# KiCad board FetsAndCrosses.kicad_pcb (continued)
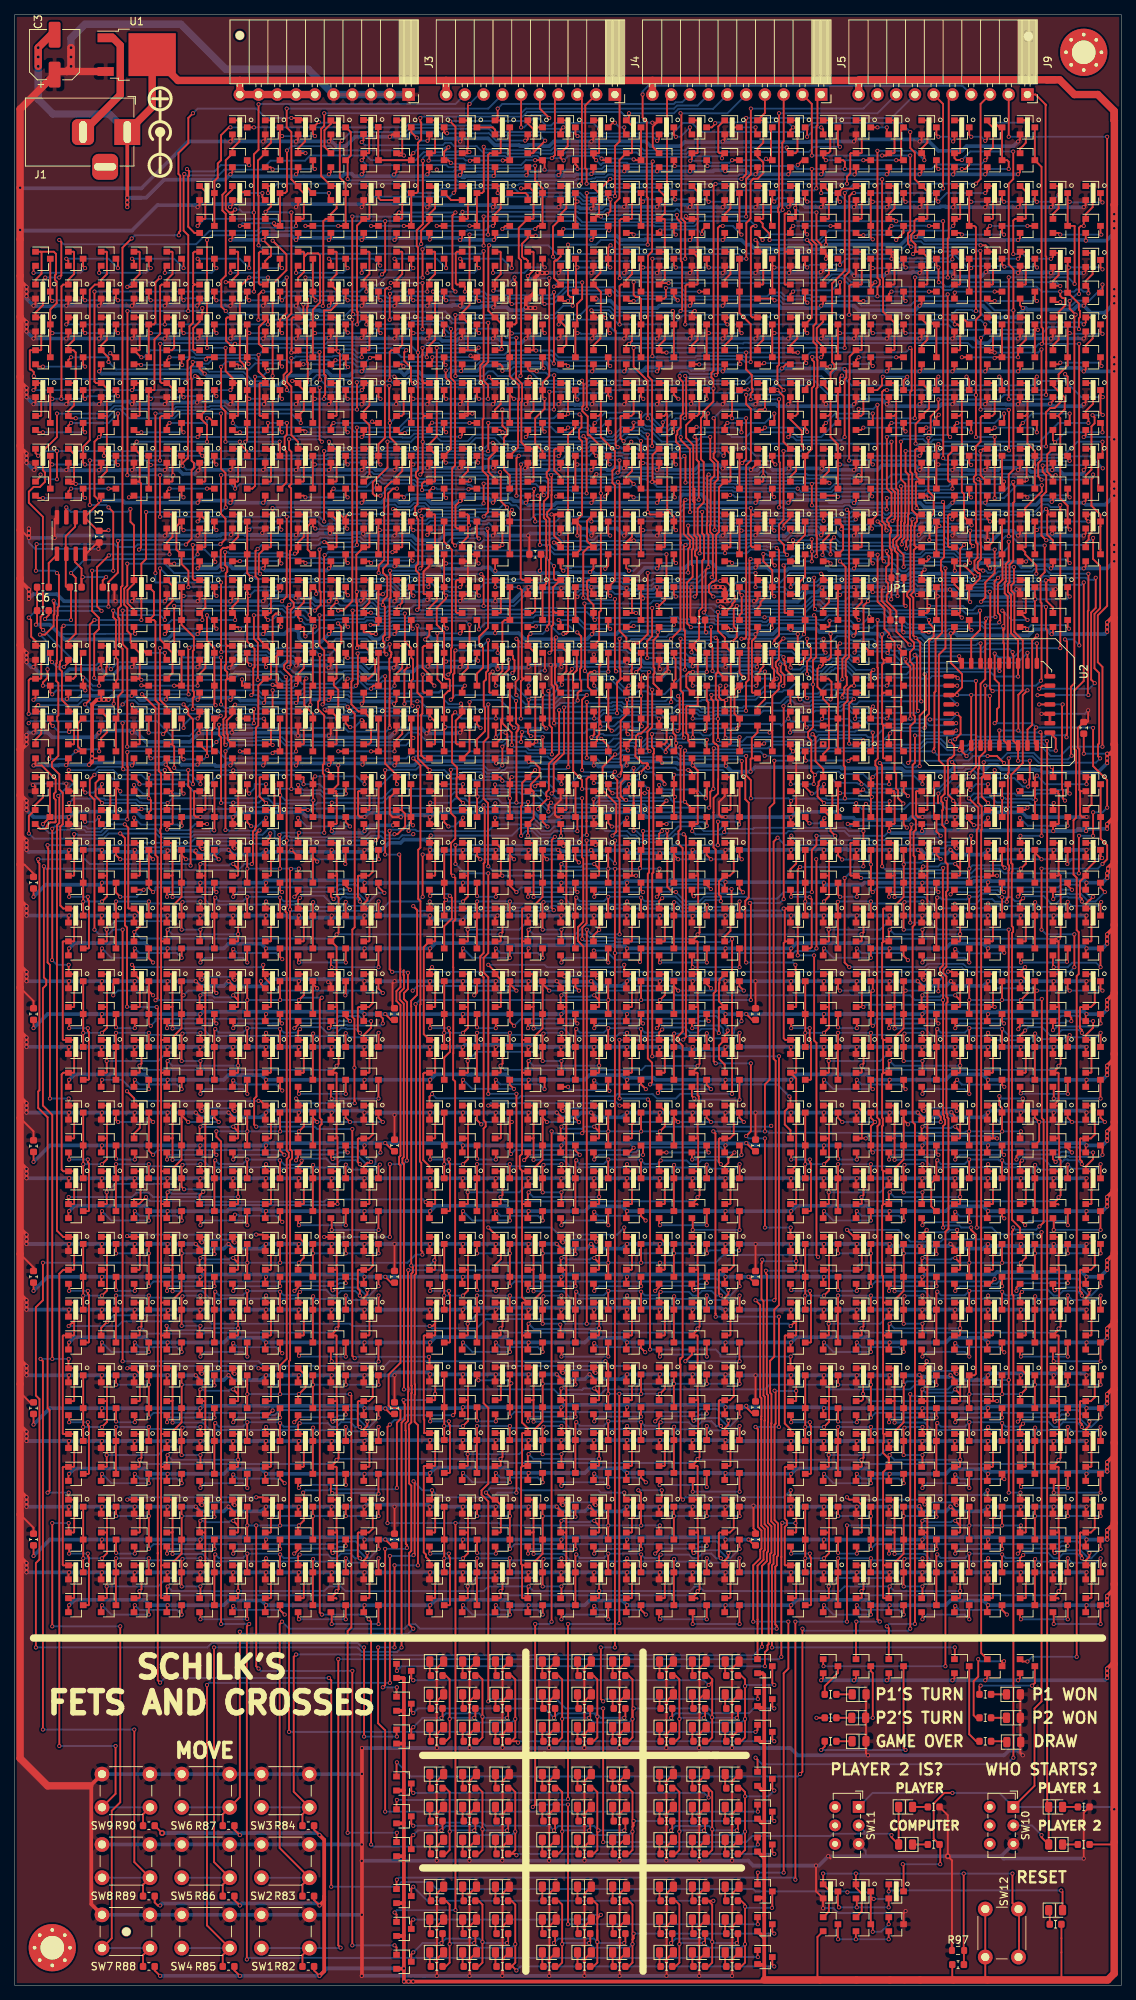
[diagram p0: board, top side]
## Routing (per net, layer and track width the routed paths; a pad name or vN(x,y) marks a point on that pad's centre or on a via; arc(x,y) is an arc through that point) (continued)
Net-(Q175-Pad2): length 9.1
  Top w0.25: v1(60.71,69.34) 60.59,69.23 Q175.2 ; Q176.3 67.06,69.32 v1(67.06,68.07)
  Bottom w0.25: v1(60.71,69.34) 61.98,68.07 v1(67.06,68.07)
Net-(Q176-Pad2): length 9.1
  Top w0.25: v1(65.15,69.34) 65.04,69.23 Q176.2 ; Q177.3 71.5,69.32 v1(71.5,68.07)
  Bottom w0.25: v1(65.15,69.34) 65.79,68.7 70.87,68.7 v1(71.5,68.07)
Net-(Q180-Pad2): length 8.9
  Top w0.25: v1(84.84,76.96) 84.82,76.98 Q181.3 ; Q180.2 78.49,77.17 v1(78.49,76.32)
  Bottom w0.25: v1(84.84,76.96) 79.12,76.96 v1(78.49,76.32)
Net-(Q185-Pad2): length 9.6
  Top w0.25: v1(80.39,67.43) 80.38,67.45 Q186.3 ; v1(74.04,67.59) 73.93,67.7 Q185.2
  Bottom w0.25: v1(80.39,67.43) 79.76,68.07 74.52,68.07 v1(74.04,67.59)
Net-(Q186-Pad2): length 10.1
  Top w0.25: 78.49,68.28 Q186.2 78.38,69.14 v1(78.49,69.25) ; Q187.3 84.82,68.72 v1(85.47,68.07)
  Bottom w0.25: v1(85.47,68.07) 84.84,68.7 79.03,68.7 v1(78.49,69.25)
Net-(Q191-Pad2): length 9.2
  Top w0.25: Q192.3 93.73,69.32 v1(93.73,67.43) ; v1(87.34,67.68) 87.32,67.68 87.27,67.74 Q191.2
  Bottom w0.25: v1(87.34,67.68) 87.36,67.71 93.45,67.71 v1(93.73,67.43)
Net-(Q192-Pad2): length 10.5
  Top w0.25: Q193.3 98.16,66.82 v1(98.17,66.8) ; Q192.2 91.82,68.28 v1(91.82,66.8)
  Bottom w0.25: v1(98.17,66.8) v1(91.82,66.8)
Net-(Q197-Pad2): length 9.4
  Top w0.25: Q197.2 87.27,76.85 v1(86.74,76.32) ; Q198.3 93.71,77.38 v1(93.72,77.38)
  Bottom w0.25: v1(86.74,76.32) 87.42,77 92.5,77 92.72,77.23 93.57,77.23 v1(93.72,77.38)
Net-(Q198-Pad2): length 9.6
  Top w0.25: Q199.3 98.16,76.98 v1(98.17,76.96) ; v1(91.96,76.4) 91.94,76.4 91.71,76.63 Q198.2
  Bottom w0.25: v1(91.96,76.4) 92.53,76.4 92.9,76.78 95.43,76.78 96.52,75.69 96.9,75.69 v1(98.17,76.96)
Net-(Q202-Pad2): length 9.2
  Top w0.25: Q203.3 75.95,78.21 v1(75.95,76.96) ; Q202.2 69.48,76.36 v1(69.52,76.33)
  Bottom w0.25: v1(75.95,76.96) 69.76,76.96 69.52,76.72 v1(69.52,76.33)
Net-(Q208-Pad2): length 11.3
  Top w0.25: 105.06,77.15 105.16,77.06 v1(105.16,76.2) ; Q209.3 107.76,69.21 107.84,69.29 107.84,75.66 107.69,75.81 v1(107.69,76.2)
  Bottom w0.25: v1(105.16,76.2) v1(107.69,76.2)
Net-(Q212-Pad2): length 5.4
  Top w0.25: Q212.2 16.26,59.28 v1(16.26,58.42) ; Q213.3 v1(13.72,58.54)
  Bottom w0.25: v1(13.72,58.54) 13.83,58.42 v1(16.26,58.42)
Net-(Q217-Pad2): length 9.1
  Top w0.25: v1(109.6,69.21) 109.49,69.1 Q217.2 ; Q218.3 115.95,69.2 v1(115.95,67.94)
  Bottom w0.25: v1(109.6,69.21) 110.87,67.94 v1(115.95,67.94)
Net-(Q218-Pad2): length 9.1
  Top w0.25: v1(114.05,69.21) 113.94,69.1 Q218.2 ; Q219.3 120.4,69.2 v1(120.4,67.94)
  Bottom w0.25: v1(114.05,69.21) 114.68,68.58 119.76,68.58 v1(120.4,67.94)
Net-(Q222-Pad2): length 8.9
  Top w0.25: v1(133.73,76.83) 133.72,76.85 Q223.3 ; 127.27,77.15 127.38,77.04 v1(127.38,76.2)
  Bottom w0.25: v1(133.73,76.83) 128.02,76.83 v1(127.38,76.2)
Net-(Q227-Pad2): length 9.8
  Top w0.25: v1(129.29,67.31) 129.27,67.33 Q228.3 ; Q227.2 122.94,68.15 v1(122.94,67.31)
  Bottom w0.25: v1(129.29,67.31) 128.65,67.94 123.57,67.94 v1(122.94,67.31)
Net-(Q228-Pad2): length 8.9
  Top w0.25: 127.38,68.15 Q228.2 127.27,69.01 v1(127.38,69.12) ; v1(134.02,68.51) 133.77,68.51 133.72,68.56 Q229.3
  Bottom w0.25: v1(134.02,68.51) 128,68.51 v1(127.38,69.12)
Net-(Q233-Pad2): length 9.2
  Top w0.25: Q234.3 142.62,69.2 v1(142.62,67.31) ; Q233.2 136.16,67.54 v1(136.28,67.42)
  Bottom w0.25: v1(142.62,67.31) 136.39,67.31 v1(136.28,67.42)
Net-(Q234-Pad2): length 10.5
  Top w0.25: Q235.3 147.05,66.69 v1(147.07,66.67) ; Q234.2 140.72,68.15 v1(140.72,66.67)
  Bottom w0.25: v1(147.07,66.67) v1(140.72,66.67)
Net-(Q239-Pad2): length 9.1
  Top w0.25: Q240.3 142.6,77.26 v1(142.61,77.25) ; v1(135.86,76.29) 135.94,76.29 136.16,76.5 136.16,77.15
  Bottom w0.25: v1(135.86,76.29) 136.45,76.88 141.39,76.88 141.76,77.25 v1(142.61,77.25)
Net-(Q240-Pad2): length 9.6
  Top w0.25: Q241.3 147.05,76.85 v1(147.07,76.83) ; v1(140.85,76.28) 140.83,76.28 140.6,76.5 140.6,77.15
  Bottom w0.25: v1(140.85,76.28) 141.43,76.28 141.8,76.65 144.33,76.65 145.41,75.56 145.8,75.56 v1(147.07,76.83)
Net-(Q244-Pad2): length 9.2
  Top w0.25: Q245.3 124.84,78.09 v1(124.84,76.83) ; 118.38,77.15 118.38,76.24 v1(118.41,76.2)
  Bottom w0.25: v1(124.84,76.83) 118.66,76.83 118.41,76.59 v1(118.41,76.2)
Net-(Q248-Pad2): length 11.3
  Top w0.25: Q248.2 7.37,59.28 v1(7.37,58.42) ; Q249.3 9.97,51.43 10.05,51.51 10.05,57.88 9.9,58.03 v1(9.9,58.42)
  Bottom w0.25: v1(7.37,58.42) v1(9.9,58.42)
Net-(Q252-Pad2): length 5.4
  Top w0.25: Q252.2 65.15,59.28 v1(65.15,58.42) ; Q253.3 v1(62.61,58.54)
  Bottom w0.25: v1(62.61,58.54) 62.73,58.42 v1(65.15,58.42)
Net-(Q256-Pad2): length 11.3
  Top w0.25: Q289.3 58.87,51.43 58.94,51.51 58.94,57.88 58.79,58.03 v1(58.79,58.42) ; Q256.2 56.17,58.54 v1(56.28,58.42)
  Bottom w0.25: v1(58.79,58.42) 56.28,58.42 v1(56.28,58.42)
Net-(Q259-Pad2): length 9.1
  Top w0.25: v1(11.81,51.43) 11.7,51.32 Q259.2 ; Q260.3 18.16,51.42 v1(18.16,50.16)
  Bottom w0.25: v1(11.81,51.43) 13.08,50.16 v1(18.16,50.16)
Net-(Q260-Pad2): length 9.1
  Top w0.25: v1(16.26,51.43) 16.14,51.32 Q260.2 ; Q261.3 22.61,51.42 v1(22.61,50.16)
  Bottom w0.25: v1(16.26,51.43) 16.89,50.8 21.97,50.8 v1(22.61,50.16)
Net-(Q264-Pad2): length 8.9
  Top w0.25: v1(35.94,59.05) 35.92,59.07 Q265.3 ; Q264.2 29.59,59.26 v1(29.59,58.42)
  Bottom w0.25: v1(35.94,59.05) 30.23,59.05 v1(29.59,58.42)
Net-(Q269-Pad2): length 9.2
  Top w0.25: Q269.2 25.15,50.37 v1(25.15,49.53) ; Q270.3 31.48,49.6 v1(31.47,49.59)
  Bottom w0.25: v1(25.15,49.53) 31.41,49.53 v1(31.47,49.59)
Net-(Q270-Pad2): length 10
  Top w0.25: 29.59,50.37 Q270.2 29.48,51.23 v1(29.59,51.34) ; v1(36.55,50.16) 36.55,50.16 35.92,50.78 Q271.3
  Bottom w0.25: v1(36.55,50.16) 35.91,50.8 30.14,50.8 v1(29.59,51.34)
Net-(Q275-Pad2): length 9.3
  Top w0.25: Q275.2 38.37,49.64 v1(38.48,49.53) ; Q276.3 44.83,51.42 v1(44.83,49.53)
  Bottom w0.25: v1(38.48,49.53) v1(44.83,49.53)
Net-(Q276-Pad2): length 10.5
  Top w0.25: Q277.3 49.26,48.91 v1(49.28,48.89) ; Q276.2 42.93,50.37 v1(42.93,48.89)
  Bottom w0.25: v1(49.28,48.89) v1(42.93,48.89)
Net-(Q281-Pad2): length 9.4
  Top w0.25: Q281.2 38.37,58.94 v1(37.85,58.42) ; Q282.3 44.81,59.48 v1(44.82,59.47)
  Bottom w0.25: v1(37.85,58.42) 38.52,59.1 43.6,59.1 43.82,59.32 44.67,59.32 v1(44.82,59.47)
Net-(Q282-Pad2): length 9.6
  Top w0.25: Q283.3 49.26,59.07 v1(49.28,59.05) ; v1(43.06,58.5) 43.04,58.5 42.81,58.72 Q282.2
  Bottom w0.25: v1(43.06,58.5) 43.64,58.5 44.01,58.87 46.54,58.87 47.62,57.78 48.01,57.78 v1(49.28,59.05)
Net-(Q286-Pad2): length 9.2
  Top w0.25: Q287.3 27.05,60.31 v1(27.05,59.05) ; Q286.2 20.59,58.46 v1(20.62,58.42)
  Bottom w0.25: v1(27.05,59.05) 20.87,59.05 20.62,58.81 v1(20.62,58.42)
Net-(Q292-Pad2): length 5.4
  Top w0.25: Q292.2 114.05,59.28 v1(114.05,58.42) ; Q293.3 v1(111.51,58.54)
  Bottom w0.25: v1(111.51,58.54) 111.62,58.42 v1(114.05,58.42)
Net-(Q296-Pad2): length 11.3
  Top w0.25: Q296.2 105.16,59.28 v1(105.16,58.42) ; Q297.3 107.76,51.43 107.84,51.51 107.84,57.88 107.69,58.03 v1(107.69,58.42)
  Bottom w0.25: v1(105.16,58.42) v1(107.69,58.42)
Net-(Q301-Pad2): length 9.1
  Top w0.25: v1(60.71,51.43) 60.59,51.32 Q301.2 ; Q302.3 67.06,51.42 v1(67.06,50.16)
  Bottom w0.25: v1(60.71,51.43) 61.98,50.16 v1(67.06,50.16)
Net-(Q302-Pad2): length 9.1
  Top w0.25: v1(65.15,51.43) 65.04,51.32 Q302.2 ; Q303.3 71.5,51.42 v1(71.5,50.16)
  Bottom w0.25: v1(65.15,51.43) 65.79,50.8 70.87,50.8 v1(71.5,50.16)
Net-(Q306-Pad2): length 8.9
  Top w0.25: v1(84.84,59.05) 84.82,59.07 Q307.3 ; Q306.2 78.49,59.26 v1(78.49,58.42)
  Bottom w0.25: v1(84.84,59.05) 79.12,59.05 v1(78.49,58.42)
Net-(Q311-Pad2): length 9.8
  Top w0.25: v1(80.39,49.53) 80.38,49.55 Q312.3 ; Q311.2 74.04,50.37 v1(74.04,49.53)
  Bottom w0.25: v1(80.39,49.53) 79.76,50.16 74.68,50.16 v1(74.04,49.53)
Net-(Q312-Pad2): length 10.1
  Top w0.25: 78.49,50.37 Q312.2 78.38,51.23 v1(78.49,51.34) ; Q313.3 84.82,50.82 v1(85.47,50.16)
  Bottom w0.25: v1(85.47,50.16) 84.84,50.8 79.03,50.8 v1(78.49,51.34)
Net-(Q317-Pad2): length 9.3
  Top w0.25: Q317.2 87.27,49.64 v1(87.38,49.53) ; Q318.3 93.73,51.42 v1(93.73,49.53)
  Bottom w0.25: v1(87.38,49.53) v1(93.73,49.53)
Net-(Q318-Pad2): length 10.5
  Top w0.25: Q319.3 98.16,48.91 v1(98.17,48.89) ; Q318.2 91.82,50.37 v1(91.82,48.89)
  Bottom w0.25: v1(98.17,48.89) v1(91.82,48.89)
Net-(Q323-Pad2): length 9.4
  Top w0.25: Q323.2 87.27,58.94 v1(86.74,58.42) ; Q324.3 93.71,59.48 v1(93.72,59.47)
  Bottom w0.25: v1(86.74,58.42) 87.42,59.1 92.5,59.1 92.72,59.32 93.57,59.32 v1(93.72,59.47)
Net-(Q324-Pad2): length 9.6
  Top w0.25: Q325.3 98.16,59.07 v1(98.17,59.05) ; v1(91.96,58.5) 91.94,58.5 91.71,58.72 Q324.2
  Bottom w0.25: v1(91.96,58.5) 92.53,58.5 92.9,58.87 95.43,58.87 96.52,57.78 96.9,57.78 v1(98.17,59.05)
Net-(Q328-Pad2): length 9.2
  Top w0.25: Q329.3 75.95,60.31 v1(75.95,59.05) ; Q328.2 69.48,58.46 v1(69.52,58.42)
  Bottom w0.25: v1(75.95,59.05) 69.76,59.05 69.52,58.81 v1(69.52,58.42)
Net-(Q331-Pad3): length 4
  Top w0.25: 11.72,157.16 11.43,157.45 v1(11.43,158.11) ; Q331.3 9.27,157.73 v1(9.53,157.48)
  Bottom w0.25: v1(11.43,158.11) 10.8,157.48 v1(9.53,157.48)
Net-(Q332-Pad3): length 8.9
  Top w0.25: v1(16.15,158.02) 16.16,158.02 16.16,157.16 ; Q332.3 v1(22.61,156.94)
  Bottom w0.25: v1(22.61,156.94) 22.22,156.94 22.07,157.09 17.09,157.09 v1(16.15,158.02)
Net-(Q333-Pad3): length 5
  Top w0.25: Q385.2 11.72,162.46 v1(11.81,162.56) ; Q333.3 9.27,161.72 v1(9.56,161.43)
  Bottom w0.25: v1(11.81,162.56) 10.68,161.43 v1(9.56,161.43)
Net-(Q334-Pad3): length 9.7
  Top w0.25: v1(16.15,162.45) 16.16,162.44 Q384.2 ; v1(22.86,161.29) 22.61,161.54 Q334.3
  Bottom w0.25: v1(16.15,162.45) 17.31,161.29 21.59,161.29 ; 21.59,161.29 21.91,161.29 ; 21.59,161.29 v1(22.86,161.29)
Net-(Q337-Pad3): length 8.3
  Top w0.25: 91.73,174.94 90.95,175.72 90.95,177.38 91.33,177.77 v1(91.84,177.77) ; Q337.3 v1(93.73,177.77)
  Bottom w0.25: v1(93.73,177.77) 91.84,177.77 v1(91.84,177.77)
Net-(Q338-Pad3): length 4.9
  Top w0.25: v1(91.82,168.91) 91.82,170.18 ; Q338.3 v1(93.73,168.56)
  Bottom w0.25: v1(91.82,168.91) 92.02,168.71 93.58,168.71 v1(93.73,168.56)
Net-(Q339-Pad3): length 7.5
  Top w0.25: Q339.3 98.17,177.59 v1(98.79,176.97) ; Q389.2 96.17,175.75 v1(96.32,175.89)
  Bottom w0.25: v1(98.79,176.97) 97.71,175.89 v1(96.32,175.89)
Net-(Q340-Pad3): length 5.5
  Top w0.25: Q340.3 v1(98.17,168.92) ; Q388.2 96.17,168.96 v1(96.27,168.86)
  Bottom w0.25: v1(98.17,168.92) 98.12,168.86 v1(96.27,168.86)
Net-(Q343-Pad2): length 9.1
  Top w0.25: v1(109.6,51.43) 109.49,51.32 Q343.2 ; Q344.3 115.95,51.42 v1(115.95,50.16)
  Bottom w0.25: v1(109.6,51.43) 110.87,50.16 v1(115.95,50.16)
Net-(Q344-Pad2): length 9.1
  Top w0.25: v1(114.05,51.43) 113.94,51.32 Q344.2 ; Q345.3 120.4,51.42 v1(120.4,50.16)
  Bottom w0.25: v1(114.05,51.43) 114.68,50.8 119.76,50.8 v1(120.4,50.16)
Net-(Q348-Pad2): length 8.9
  Top w0.25: v1(133.73,59.05) 133.72,59.07 Q349.3 ; Q348.2 127.38,59.26 v1(127.38,58.42)
  Bottom w0.25: v1(133.73,59.05) 128.02,59.05 v1(127.38,58.42)
Net-(Q353-Pad2): length 9.8
  Top w0.25: v1(129.29,49.53) 129.27,49.55 Q354.3 ; Q353.2 122.94,50.37 v1(122.94,49.53)
  Bottom w0.25: v1(129.29,49.53) 128.65,50.16 123.57,50.16 v1(122.94,49.53)
Net-(Q354-Pad2): length 10.1
  Top w0.25: 127.38,50.37 Q354.2 127.27,51.23 v1(127.38,51.34) ; Q355.3 133.72,50.82 v1(134.37,50.16)
  Bottom w0.25: v1(134.37,50.16) 133.73,50.8 127.93,50.8 v1(127.38,51.34)
Net-(Q359-Pad2): length 9.3
  Top w0.25: Q359.2 136.16,49.64 v1(136.27,49.53) ; Q360.3 142.62,51.42 v1(142.62,49.53)
  Bottom w0.25: v1(136.27,49.53) v1(142.62,49.53)
Net-(Q360-Pad2): length 10.5
  Top w0.25: Q361.3 147.05,48.91 v1(147.07,48.89) ; Q360.2 140.72,50.37 v1(140.72,48.89)
  Bottom w0.25: v1(147.07,48.89) v1(140.72,48.89)
Net-(Q365-Pad2): length 9.1
  Top w0.25: Q366.3 142.6,59.48 v1(142.61,59.47) ; Q365.2 136.16,58.72 v1(135.86,58.42)
  Bottom w0.25: v1(135.86,58.42) 136.53,59.1 141.39,59.1 141.76,59.47 v1(142.61,59.47)
Net-(Q366-Pad2): length 9.6
  Top w0.25: Q367.3 147.05,59.07 v1(147.07,59.05) ; v1(140.85,58.5) 140.83,58.5 140.6,58.72 Q366.2
  Bottom w0.25: v1(140.85,58.5) 141.43,58.5 141.8,58.87 144.33,58.87 145.41,57.78 145.8,57.78 v1(147.07,59.05)
Net-(Q370-Pad2): length 9.2
  Top w0.25: Q371.3 124.84,60.31 v1(124.84,59.05) ; Q370.2 118.38,58.46 v1(118.41,58.42)
  Bottom w0.25: v1(124.84,59.05) 118.66,59.05 118.41,58.81 v1(118.41,58.42)
Net-(Q375-Pad3): length 4.9
  Top w0.25: Q375.3 31.5,157.4 v1(32.02,156.87) ; v1(34.04,158.02) 33.94,157.93 33.94,157.16
  Bottom w0.25: v1(32.02,156.87) 32.88,156.87 v1(34.04,158.02)
Net-(Q376-Pad3): length 9.9
  Top w0.25: 38.39,157.16 38.39,157.99 v1(38.37,158.01) ; Q376.3 44.83,157.42 v1(45.4,156.84)
  Bottom w0.25: v1(38.37,158.01) 39.53,156.84 v1(45.4,156.84)
Net-(Q377-Pad3): length 5.5
  Top w0.25: Q393.2 33.94,162.46 v1(34.04,162.56) ; Q377.3 31.5,161.54 v1(31.75,161.29)
  Bottom w0.25: v1(31.75,161.29) 32.49,162.03 32.49,162.56 v1(34.04,162.56)
Net-(Q378-Pad3): length 9.1
  Top w0.25: v1(44.83,161.29) Q378.3 ; v1(38.38,162.46) 38.39,162.45 Q392.2
  Bottom w0.25: v1(44.83,161.29) 41.91,161.29 41.46,161.74 39.09,161.74 v1(38.38,162.46)
Net-(Q381-Pad3): length 5
  Top w0.25: 82.84,157.16 82.84,157.93 v1(82.93,158.02) ; v1(80.86,156.82) 80.39,157.3 Q381.3
  Bottom w0.25: v1(82.93,158.02) 81.73,156.82 v1(80.86,156.82)
Net-(Q382-Pad3): length 7.9
  Top w0.25: Q382.3 v1(93.73,156.94) ; v1(88.27,157.16) 88.26,157.16 87.28,157.16
  Bottom w0.25: v1(93.73,156.94) 93.22,157.44 88.54,157.44 v1(88.27,157.16)
Net-(Q396-Pad2): length 11.2
  Top w0.25: v1(87.27,162.45) 87.28,162.44 Q396.2 ; 93.73,161.29 Q942.3 93.73,160.78 v1(93.59,160.65)
  Bottom w0.25: v1(87.27,162.45) 87.88,161.84 92.4,161.84 v1(93.59,160.65)
Net-(Q397-Pad2): length 5.3
  Top w0.25: v1(80.96,161.34) 80.39,161.91 Q941.3 ; Q397.2 83.19,161.96 v1(83.19,162.56)
  Bottom w0.25: v1(83.19,162.56) 81.96,161.34 v1(80.96,161.34)
Net-(Q399-Pad2): length 4.6
  Top w0.25: v1(131.83,158.02) 131.73,157.93 131.73,157.16 ; v1(129.91,157.02) 129.29,157.64 Q977.3
  Bottom w0.25: v1(129.91,157.02) 130.83,157.02 v1(131.83,158.02)
Net-(Q400-Pad2): length 10.4
  Top w0.25: 142.62,161.29 Q980.3 142.62,161.54 v1(142.88,161.29) ; Q400.2 136.09,161.7 135.92,161.7 v1(135.88,161.74)
  Bottom w0.25: v1(135.88,161.74) 136.27,161.74 136.53,161.47 137.98,161.47 138.3,161.79 142.12,161.79 142.62,161.29 v1(142.88,161.29)
Net-(Q401-Pad2): length 4.5
  Top w0.25: Q401.2 131.73,162.46 v1(131.83,162.56) ; Q979.3 129.29,161.92 v1(129.42,161.79)
  Bottom w0.25: v1(129.42,161.79) 130.19,162.56 v1(131.83,162.56)
Net-(Q402-Pad2): length 8.9
  Top w0.25: 136.18,157.16 136.18,157.95 v1(136.13,157.99) ; v1(142.59,156.94) 142.62,156.96 Q978.3
  Bottom w0.25: v1(142.59,156.94) 137.19,156.94 v1(136.13,157.99)
Net-(Q403-Pad2): length 4.9
  Top w0.25: v1(60.71,158.02) 60.61,157.93 60.61,157.16 ; Q983.3 58.17,157.42 v1(58.74,156.84)
  Bottom w0.25: v1(60.71,158.02) 59.53,156.84 v1(58.74,156.84)
Net-(Q406-Pad2): length 10
  Top w0.25: v1(65.05,158.02) 65.06,158.02 65.06,157.16 ; Q984.3 71.5,157.47 v1(72.16,156.81)
  Bottom w0.25: v1(65.05,158.02) 70.22,158.02 71.43,156.81 v1(72.16,156.81)
Net-(Q423-Pad3): length 4.7
  Top w0.25: Q423.3 124.83,250.46 v1(125.1,250.19) ; v1(127.1,249.55) 127.27,249.73 Q424.2
  Bottom w0.25: v1(125.1,250.19) 126.46,250.19 v1(127.1,249.55)
Net-(Q424-Pad3): length 4.5
  Top w0.25: v1(129.54,250.19) 129.27,250.46 Q424.3 ; Q425.2 131.72,249.86 131.5,249.65 v1(131.44,249.65)
  Bottom w0.25: v1(131.44,249.65) 130.9,250.19 v1(129.54,250.19)
Net-(Q431-Pad2): length 8.2
  Top w0.25: v1(36.2,210.19) 35.92,210.45 Q432.3 ; 29.48,210.5 29.8,210.19 v1(30.48,210.19)
  Bottom w0.25: v1(36.2,210.19) v1(30.48,210.19)
Net-(Q432-Pad2): length 13.2
  Top w0.25: 33.92,210.5 34.29,210.87 v1(34.29,211.45) ; v1(36.85,211.45) 36.85,209.89 36.55,209.58 36.55,207.82 36.8,207.58 36.8,203.39 35.97,202.56 Q433.3
  Bottom w0.25: v1(36.85,211.45) v1(34.29,211.45)
Net-(Q437-Pad2): length 8.9
  Top w0.25: Q437.2 30.18,219.39 30.47,219.11 v1(30.47,219.07) ; v1(36.2,219.09) 35.92,219.37 Q438.3
  Bottom w0.25: v1(36.2,219.09) 35.77,219.53 32.58,219.53 31.74,218.69 31.5,218.69 31.12,219.07 v1(30.47,219.07)
Net-(Q438-Pad2): length 19.1
  Top w0.25: Q438.2 33.92,218.74 34.21,218.46 v1(34.25,218.46) ; v1(32.53,217.7) 32.53,202.92 32.18,202.56 Q439.3
  Bottom w0.25: v1(32.53,217.7) 33.5,217.7 v1(34.25,218.46)
Net-(Q443-Pad2): length 7.7
  Top w0.25: Q444.3 22.59,219.39 v1(22.68,219.3) ; Q443.2 17.01,219.39 v1(17.11,219.3)
  Bottom w0.25: v1(22.68,219.3) v1(17.11,219.3)
Net-(Q444-Pad2): length 7.5
  Top w0.25: v1(20.96,220.34) 20.59,219.98 Q444.2 ; Q445.3 26.04,220.34 25.89,220.2 v1(25.89,220.06)
  Bottom w0.25: v1(20.96,220.34) 24.28,220.34 24.41,220.21 25.74,220.21 v1(25.89,220.06)
Net-(Q449-Pad2): length 8.2
  Top w0.25: Q449.2 3.13,201.29 v1(3.81,201.29) ; v1(9.53,201.29) 9.25,201.56 Q450.3
  Bottom w0.25: v1(9.53,201.29) v1(3.81,201.29)
Net-(Q450-Pad2): length 7.2
  Top w0.25: Q450.2 7.25,202.2 v1(7.62,202.56) ; v1(12.7,202.56) Q451.3
  Bottom w0.25: v1(7.62,202.56) v1(12.7,202.56)
Net-(Q455-Pad2): length 9.4
  Top w0.25: Q455.2 15.92,201.39 v1(15.47,201.39) ; Q456.3 22.59,201.65 v1(22.85,201.39)
  Bottom w0.25: v1(22.85,201.39) v1(15.47,201.39)
Net-(Q456-Pad2): length 7.2
  Top w0.25: Q456.2 20.59,202.2 v1(20.96,202.56) ; v1(26.04,202.56) Q457.3
  Bottom w0.25: v1(20.96,202.56) v1(26.04,202.56)
Net-(Q461-Pad2): length 8.2
  Top w0.25: v1(17.14,210.19) 16.46,210.19 16.14,210.5 ; Q462.3 22.59,210.45 v1(22.86,210.19)
  Bottom w0.25: v1(22.86,210.19) v1(17.14,210.19)
Net-(Q462-Pad2): length 8.1
  Top w0.25: 20.59,210.5 20.59,211.09 v1(20.96,211.45) ; v1(26.04,212.09) 26.4,212.09 Q463.3
  Bottom w0.25: v1(26.04,212.09) 26.04,211.45 v1(20.96,211.45)
Net-(Q467-Pad2): length 8.2
  Top w0.25: v1(3.81,219.07) 3.13,219.07 Q467.2 ; Q468.3 9.25,219.34 v1(9.53,219.07)
  Bottom w0.25: v1(9.53,219.07) v1(3.81,219.07)
Net-(Q468-Pad2): length 7.6
  Top w0.25: Q468.2 7.25,219.98 v1(7.62,220.34) ; Q469.3 13.5,220.34 v1(12.94,220.9)
  Bottom w0.25: v1(7.62,220.34) 12.38,220.34 v1(12.94,220.9)
Net-(Q473-Pad2): length 8.2
  Top w0.25: v1(9.53,210.19) 9.25,210.45 Q474.3 ; v1(3.81,210.19) 3.13,210.19 2.81,210.5
  Bottom w0.25: v1(9.53,210.19) v1(3.81,210.19)
Net-(Q474-Pad2): length 9.5
  Top w0.25: 7.25,210.5 7.25,211.09 v1(7.62,211.45) ; Q475.3 13.97,211.45 v1(13.97,212.72)
  Bottom w0.25: v1(13.97,212.72) 12.7,211.45 v1(7.62,211.45)
Net-(Q479-Pad2): length 9.7
  Top w0.25: v1(2.54,231.77) 2.54,232.46 Q479.2 2.86,232.73 ; Q480.3 9.25,232.68 v1(9.53,232.41)
  Bottom w0.25: v1(9.53,232.41) 8.89,231.77 v1(2.54,231.77)
Net-(Q480-Pad2): length 10
  Top w0.25: v1(13.97,232.41) 13.97,233.41 Q484.3 ; Q480.2 7.25,233.41 v1(6.98,233.68)
  Bottom w0.25: v1(13.97,232.41) 12.7,233.68 v1(6.98,233.68)
Net-(Q484-Pad2): length 9.7
  Top w0.25: Q484.2 11.43,232.46 v1(11.43,231.77) ; v1(18.42,232.41) 18.14,232.68 Q485.3
  Bottom w0.25: v1(18.42,232.41) 17.78,231.77 v1(11.43,231.77)
Net-(Q485-Pad2): length 10
  Top w0.25: Q486.3 22.86,233.41 v1(22.86,232.41) ; Q485.2 16.14,233.41 v1(15.88,233.68)
  Bottom w0.25: v1(22.86,232.41) 21.59,233.68 v1(15.88,233.68)
Net-(Q486-Pad2): length 9.7
  Top w0.25: v1(20.32,231.77) 20.32,232.46 Q486.2 ; v1(27.31,232.41) 27.04,232.68 Q490.3
  Bottom w0.25: v1(20.32,231.77) 26.67,231.77 v1(27.31,232.41)
Net-(Q490-Pad2): length 10
  Top w0.25: Q491.3 31.75,233.41 v1(31.75,232.41) ; v1(24.76,233.68) 25.04,233.41 Q490.2
  Bottom w0.25: v1(31.75,232.41) 30.48,233.68 v1(24.76,233.68)
Net-(Q491-Pad2): length 9.7
  Top w0.25: v1(29.21,231.77) 29.21,232.46 Q491.2 ; v1(36.2,232.41) 35.92,232.68 Q492.3
  Bottom w0.25: v1(36.2,232.41) 33.4,232.41 32.77,231.77 v1(29.21,231.77)
Net-(Q494-Pad3): length 3.2
  Top w0.25: Q495.2 69.48,242.27 69.19,242.57 Q494.3
Net-(Q497-Pad3): length 4.3
  Top w0.25: v1(55.9,249.65) 55.94,249.65 56.15,249.86 Q498.2 ; Q497.3 53.7,250.8 v1(54.44,250.06)
  Bottom w0.25: v1(55.9,249.65) 54.85,249.65 v1(54.44,250.06)
Net-(Q498-Pad3): length 13.2
  Top w0.25: v1(58.53,250.66) 58.3,250.66 58.15,250.81 Q498.3 ; Q499.2 69.48,249.86 69.29,249.67 v1(69.13,249.67)
  Bottom w0.25: v1(58.53,250.66) 64.22,250.66 65.22,249.67 v1(69.13,249.67)
Net-(Q499-Pad3): length 6.7
  Top w0.25: Q503.2 73.93,251.09 v1(74.3,251.46) ; v1(70.41,251.96) 70.41,251.84 70.79,251.46 Q499.3
  Bottom w0.25: v1(70.41,251.96) 70.8,251.56 71.4,251.56 71.7,251.26 74.1,251.26 v1(74.3,251.46)
Net-(Q503-Pad3): length 13.3
  Top w0.25: v1(76.22,250.29) 75.93,250.58 Q503.3 ; Q504.2 87.27,249.86 87.05,249.65 v1(87.01,249.65)
  Bottom w0.25: v1(76.22,250.29) 76.31,250.2 86.46,250.2 v1(87.01,249.65)
Net-(Q504-Pad3): length 4.9
  Top w0.25: Q505.2 91.44,250.78 v1(91.44,251.46) ; v1(89.54,250.19) 89.27,250.46 Q504.3
  Bottom w0.25: v1(91.44,251.46) 90.17,250.19 v1(89.54,250.19)
Net-(Q505-Pad3): length 13.4
  Top w0.25: v1(94.86,252.03) 94.86,251.91 94.41,251.46 Q505.3 ; v1(105.41,251.46) 105.05,251.09 Q509.2
  Bottom w0.25: v1(94.86,252.03) 94.96,252.13 104.74,252.13 v1(105.41,251.46)
Net-(Q509-Pad3): length 5.2
  Top w0.25: Q510.2 109.49,251.2 v1(109.24,251.45) ; Q509.3 107.31,251.19 v1(107.31,250.19)
  Bottom w0.25: v1(109.24,251.45) 107.94,251.45 107.94,250.82 v1(107.31,250.19)
Net-(Q510-Pad3): length 70.6
  Top w0.25: v1(111.76,248.83) 111.49,249.1 Q510.3 ; Q511.2 47.23,249.7 v1(46.99,249.46)
  Bottom w0.25: v1(46.99,249.46) 47.4,249.05 57.98,249.05 58.29,249.36 59.06,249.36 59.5,248.92 62.55,248.92 63.44,248.03 66.57,248.03 66.68,247.92 69.86,247.92 70.01,248.07 70.96,248.07 71.13,247.9 72.81,247.9 73.42,248.52 84.43,248.52 85.05,247.89 90.98,247.89 91.22,248.14 107.55,248.14 108.24,248.83 v1(111.76,248.83)
Net-(Q516-Pad3): length 3.2
  Top w0.25: v1(118.11,251.46) 118.11,250.78 Q517.2 ; v1(116.84,251.46) Q516.3
  Bottom w0.25: v1(118.11,251.46) v1(116.84,251.46)
Net-(Q520-Pad3): length 5.2
  Top w0.25: v1(100.33,251.46) 100.33,250.78 Q521.2 ; Q520.3 v1(97.16,251.46)
  Bottom w0.25: v1(97.16,251.46) v1(100.33,251.46)
Net-(Q524-Pad3): length 3.2
  Top w0.25: Q525.2 49.56,241.62 49.26,241.92 Q524.3
Net-(Q528-Pad3): length 3.8
  Top w0.25: Q529.2 82.55,250.78 v1(82.55,251.46) ; Q528.3 81.01,252.09 v1(81.28,252.09)
  Bottom w0.25: v1(82.55,251.46) 81.92,251.46 v1(81.28,252.09)
Net-(Q532-Pad3): length 5.8
  Top w0.25: Q533.2 42.55,241.89 v1(42.55,242.57) ; v1(39.37,243.2) 39.73,243.2 Q532.3
  Bottom w0.25: v1(42.55,242.57) 40,242.57 v1(39.37,243.2)
Net-(Q536-Pad3): length 3.2
  Top w0.25: Q536.3 64.74,251.46 65.04,251.16 Q537.2
Net-(Q540-Pad3): length 6
  Top w0.25: Q540.3 31.35,242.7 30.61,242.7 v1(30.48,242.57) ; Q541.2 33.54,242.01 v1(33.54,242.57)
  Bottom w0.25: 31.75,242.57 v1(30.48,242.57) ; 31.75,242.57 30.99,242.57 ; 31.75,242.57 v1(33.54,242.57)
Net-(Q544-Pad3): length 2.8
  Top w0.25: Q545.2 59.1,241.62 Q544.3
Net-(Q549-Pad2): length 8.3
  Top w0.25: v1(71.76,210.28) 71.48,210.55 Q550.3 ; 65.04,210.5 65.74,210.5 v1(66.07,210.18)
  Bottom w0.25: v1(66.07,210.18) 66.46,210.18 66.72,210.43 71.22,210.43 71.37,210.28 v1(71.76,210.28)
Net-(Q550-Pad2): length 24
  Top w0.25: v1(71.64,201.67) 71.48,201.83 Q551.3 ; 69.48,210.5 69.48,209.85 ; v1(77.45,201.93) 77.45,209.24 v1(77.03,209.66) ; 69.48,209.82 v1(69.22,209.55)
  Bottom w0.25: v1(69.22,209.55) 76.92,209.55 v1(77.03,209.66) ; v1(71.64,201.67) 72.29,202.32 75.35,202.32 75.74,201.93 v1(77.45,201.93)
Net-(Q555-Pad2): length 9.1
  Top w0.25: Q556.3 71.48,218.99 v1(71.62,218.86) ; v1(66.05,218.5) 66.05,219.09 65.74,219.39 Q555.2
  Bottom w0.25: v1(66.05,218.5) 67.03,218.5 67.58,219.05 71.42,219.05 v1(71.62,218.86)
Net-(Q556-Pad2): length 27.7
  Top w0.25: v1(66.04,213.27) 66.04,211.09 66.67,210.46 66.67,209.89 66.26,209.48 66.26,205.13 67.04,204.36 Q557.3 ; v1(73.03,213.27) 73.03,217.86 v1(73.06,217.9) ; Q556.2 69.48,218.74 69.78,218.45 v1(70.69,218.45)
  Bottom w0.25: v1(70.69,218.45) 70.88,218.26 71.94,218.26 72.29,217.9 v1(73.06,217.9) ; v1(73.03,213.27) v1(66.04,213.27)
Net-(Q561-Pad2): length 8
  Top w0.25: v1(58.35,219.31) 58.15,219.51 Q562.3 ; v1(52.65,219.12) 52.65,219.15 52.41,219.39 Q561.2
  Bottom w0.25: v1(58.35,219.31) 58.2,219.16 52.69,219.16 v1(52.65,219.12)
Net-(Q562-Pad2): length 7.4
  Top w0.25: Q563.3 61.9,220.34 61.73,220.51 v1(61.73,220.56) ; Q562.2 56.55,219.79 v1(56.55,220.34)
  Bottom w0.25: v1(56.55,220.34) 56.57,220.36 61.53,220.36 v1(61.73,220.56)
Net-(Q567-Pad2): length 8.1
  Top w0.25: v1(45.08,201.39) 44.81,201.65 Q568.3 ; v1(39.36,201.39) 39.13,201.61 Q567.2
  Bottom w0.25: v1(45.08,201.39) v1(39.36,201.39)
Net-(Q568-Pad2): length 8
  Top w0.25: v1(43.18,202.56) 42.81,202.2 Q568.2 ; Q569.3 49.36,202.67 49.36,202.75 v1(49.09,203.03)
  Bottom w0.25: v1(49.09,203.03) 48.35,202.29 43.45,202.29 v1(43.18,202.56)
Net-(Q573-Pad2): length 8.5
  Top w0.25: Q574.3 58.15,201.57 v1(58.42,201.3) ; Q573.2 52.47,201.61 v1(52.7,201.39)
  Bottom w0.25: v1(52.7,201.39) 53.08,201.77 56.05,201.77 56.52,201.3 v1(58.42,201.3)
Net-(Q574-Pad2): length 7.4
  Top w0.25: v1(56.66,202.64) 56.53,202.64 56.15,202.26 Q574.2 ; v1(61.46,202.48) 61.54,202.56 Q575.3